# Altium PCB SP7.PcbDoc (part 3 of 4) (continued)
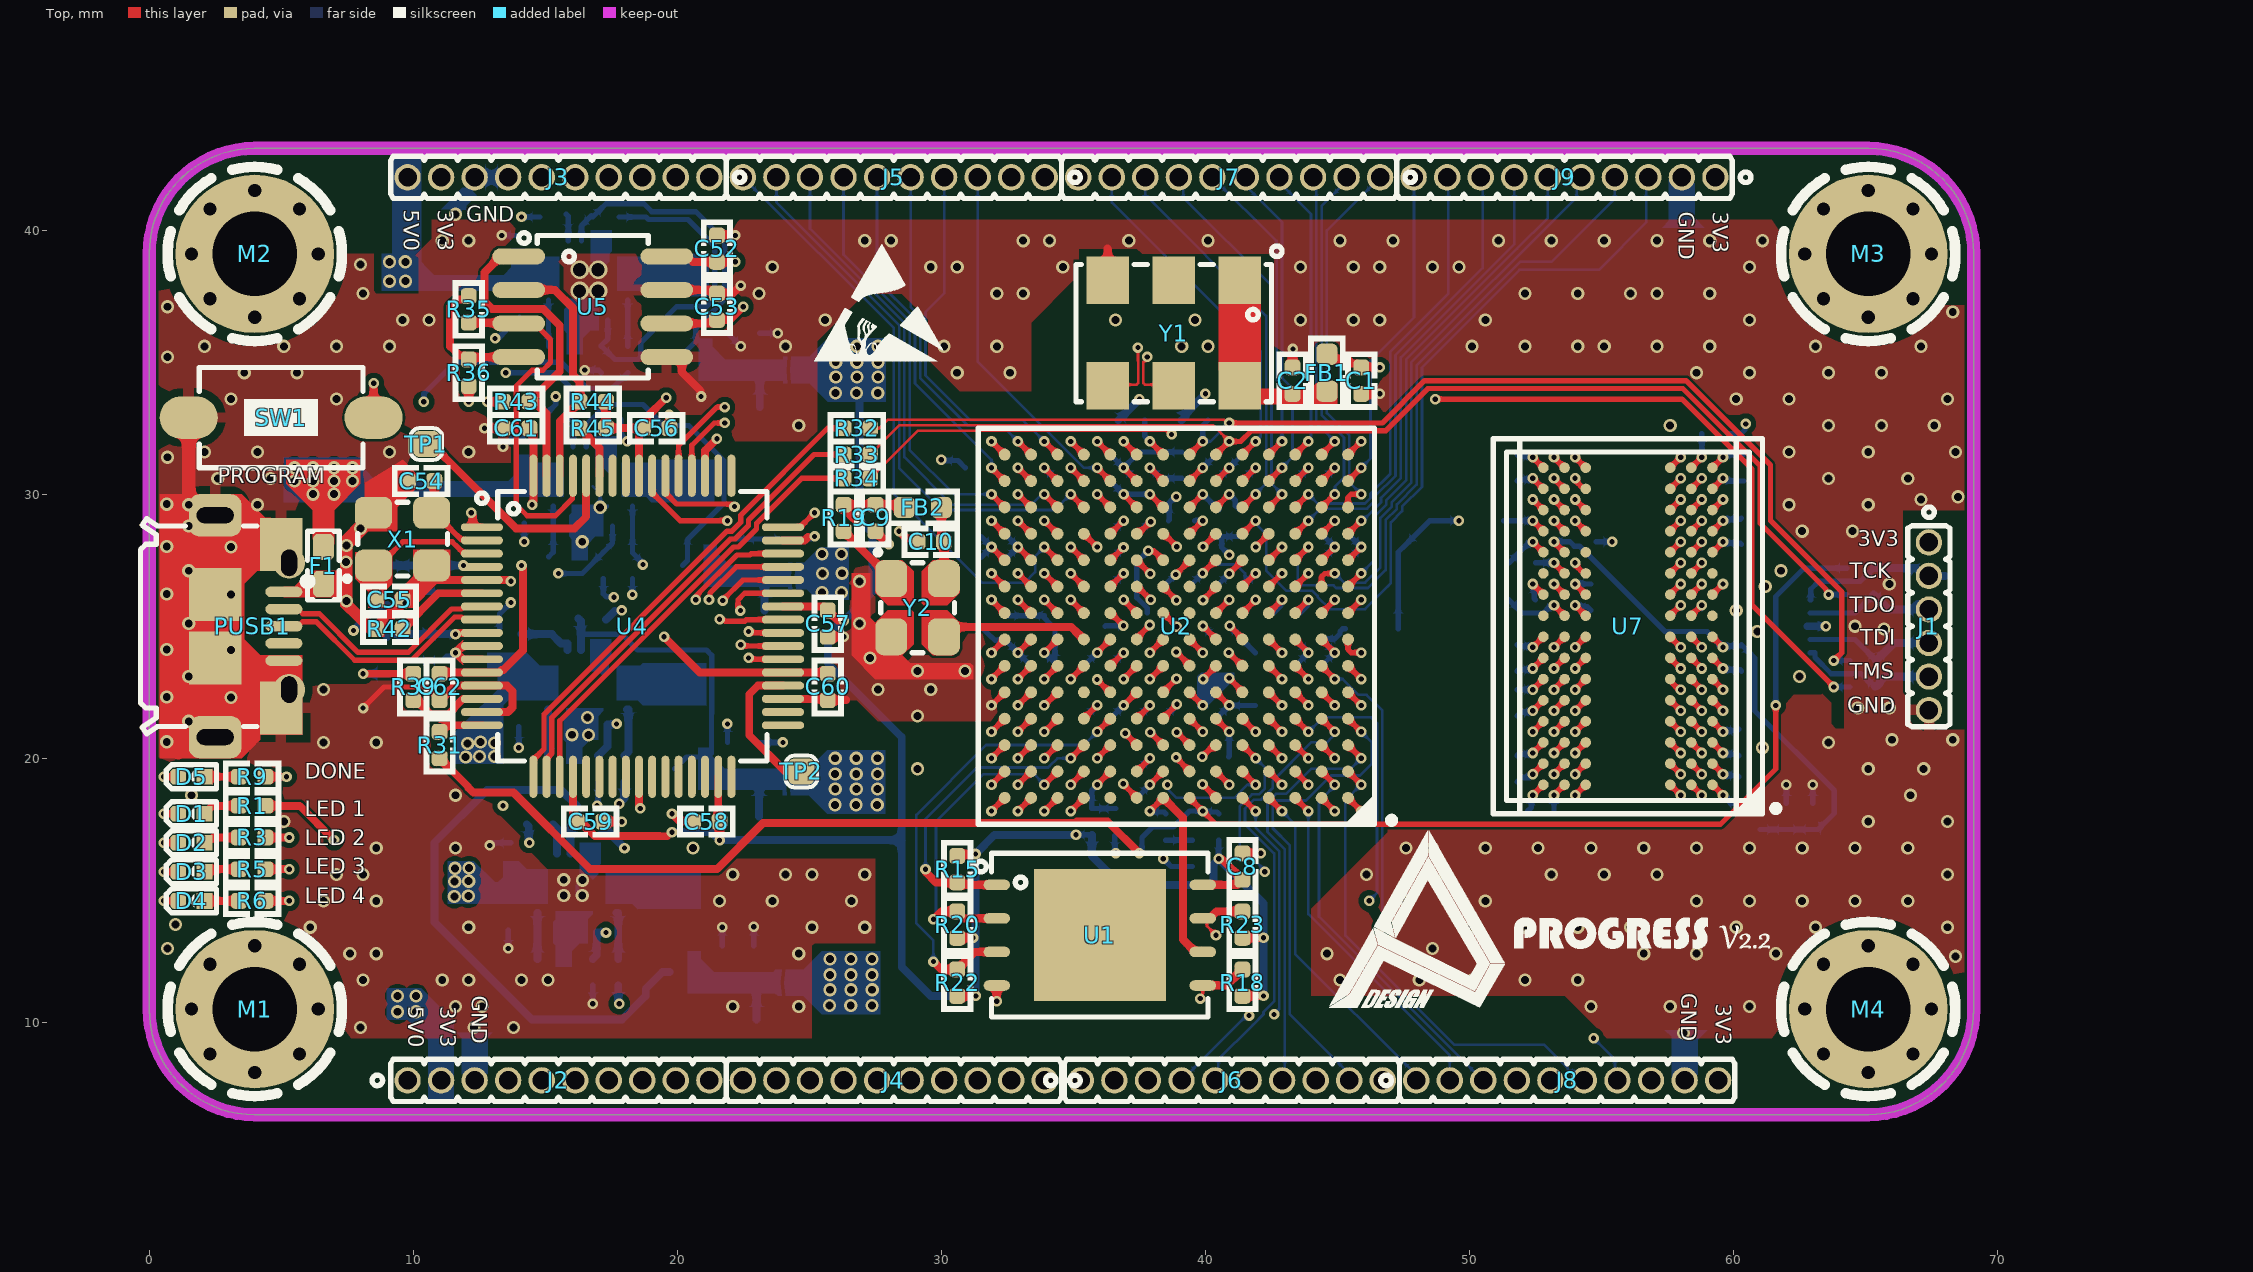
[diagram p0: Top view]
## Nets (pads, with @x,y where several pads share a name; then routed paths per layer and width w, separated by ;. In a path a pad name is that pad's centre, name@x,y a point inside that pad or via, vN(x,y) a via of type N, cw(c..) or ccw(c..) an arc to the next point about the centre after c; other vN are vias at no path point) (continued)
  Bottom w0.1: v1(45.9,27) 46.425,27.525 46.425,29.182 46.85,29.607 46.85,29.776 47.6,30.526 47.6,35.1 51.8,39.3 52.965,40.465 J9.6@52.965,42
  Bottom w0.2: v4(52.4,26.6) 52.45,26.55 52.45,26.05 R65.1@52.5,26
FLASH_CS#: R15.2 U1.1 U2.C11 | length 12.1
  Top w0.2: v1(34.9,20) U2.C11@35.4,20.5
  Top w0.3: v1(29.4,15.8) 29.419,15.781 29.419,15.681 29.8,15.3 R15.2@30.6,15.3 30.695,15.205 U1.1@32.1,15.205
  Bottom w0.1: v1(29.4,15.8) 29.4,17.7 31.35,19.65 34.045,19.65 34.097,19.703 34.395,20 v1(34.9,20)
FLASH_D0: R18.2 U1.5 U2.B11 | length 13.8
  Top w0.1: v1(39.8,10.9) 39.8,10.981 39.9,11.081 U1.5@39.9,11.395
  Top w0.2: v1(34.9,19) U2.B11@35.4,19.5
  Top w0.3: U1.5@39.9,11.395 40.795,11.395 R18.2@41.4,12
  03_SIG w0.1: v1(34.9,19) 35.229,18.671 35.229,18.471 35.5,18.2 35.5,14 38.6,10.9 v1(39.8,10.9)
FLASH_D1: R20.2 U1.2 U2.B12 | length 12.1
  Top w0.2: v1(33.9,19) U2.B12@34.4,19.5
  Top w0.3: v1(29.7,13.9) 30,14.2 R20.2@30.6,14.2 30.865,13.935 U1.2@32.1,13.935
  Bottom w0.1: v1(29.7,13.9) 29.7,13.981 29.8,14.081 29.8,17.6 31.6,19.4 33.5,19.4 v1(33.9,19)
FLASH_D2: R22.2 U1.3 U2.D10 | length 17.5
  Top w0.2: v1(35.9,21) U2.D10@36.4,21.5
  Top w0.3: v1(29.7,12.3) 30,12 R22.2@30.6,12 31.265,12.665 U1.3@32.1,12.665
  Bottom w0.1: v1(29.7,12.3) 29.7,13.1 29.05,13.75 29.05,17.85 31.7,20.5 35.4,20.5 v1(35.9,21)
FLASH_D3: R23.2 U1.7 U2.C10 | length 13.5
  Top w0.1: U1.7@39.9,13.935 39.918,13.935 40.056,13.796 40.056,13.644 v1(40.4,13.3)
  Top w0.2: v1(35.9,20) U2.C10@36.4,20.5
  Top w0.3: U1.7@39.918,13.935 40.173,13.935 40.25,14.012 40.25,14.024 40.426,14.2 R23.2@41.4,14.2
  03_SIG w0.1: v1(35.9,20) 35.9,19.5 35.6,19.2 35.6,19.195 35.55,19.145 35.55,18.433 35.7,18.283 35.7,15.4 37,14.1 39.6,14.1 v1(40.4,13.3)
FPGA_CCLK: C7.2 U1.6 U2.A8 | length 8
  Top w0.2: v1(37.9,18) U2.A8@38.4,18.5
  Top w0.3: U2.A8@38.4,18.5 39.15,17.75 39.15,13.134 39.619,12.665 U1.6@39.9,12.665
  Bottom w0.2: v1(37.9,18) 37.938,17.962 38.438,17.962 C7.2@38.5,17.9
FPGA_DONE: R9.2 U2.P9 | length 39.6
  Top w0.2: v1(36.9,32) U2.P9@37.4,31.5
  Top w0.3: R9.2@4.4,19.3 v1(5.2,19.3)
  03_SIG w0.2: v1(5.2,19.3) 8.4,19.3 20.7,31.6 28.4,31.6 30.206,33.406 35.494,33.406 v1(36.9,32)
FPGA_EMCCLK: U2.G11 Y2.3 | length 5.7
  Top w0.3: Y2.3@30.1,24.6 30.475,24.975 34.92,24.975 35.395,24.5 U2.G11@35.4,24.5
FPGA_INIT#: R14.2 U2.P8 | length 1.6
  Top w0.2: v1(37.9,32) U2.P8@38.4,31.5
  Bottom w0.2: R14.2@37.7,32.799 37.7,32.21 37.9,32.009 v1(37.9,32)
FPGA_M0: R21.2 U2.M7 | length 1.6
  Top w0.2: U2.M7@39.4,29.5 v1(39.9,30)
  Bottom w0.2: v1(39.9,30) R21.2@40.501,29.4
FPGA_PROG_B: R16.2 SW1.1 U2.L7 | length 37
  Top w0.2: U2.L7@39.4,28.5 v1(39.9,29)
  Top w0.3: SW1.1@8.5,32.9 v1(8.5,34.2)
  03_SIG w0.2: v1(8.5,34.2) 8.554,34.2 8.648,34.106 23.871,34.106 24.591,33.387 29.763,33.387 30.082,33.706 36.759,33.706 38.318,32.147 38.318,31.047 39.3,30.066 39.3,29.6 v1(39.9,29)
  Bottom w0.2: R16.2@39.6,29 v1(39.9,29)
FT_RD_N: U2.J13 U4.53 | length 32.2
  Top w0.2: U4.53@20.05,30.7 20.05,31.85 21.5,33.3 v1(21.8,33.3) ; v1(32.9,27) U2.J13@33.4,26.5
  05_SIG w0.1: v1(21.8,33.3) 20.1,31.6 20.1,25.517 22.417,23.2 22.983,23.2 23.7,23.917 23.7,27.7 24.75,28.75 25.428,28.75 26.028,29.35 29.75,29.35 31.7,27.4 32.5,27.4 v1(32.9,27)
FT_RXF_N: U2.J11 U4.48 | length 13.2
  Top w0.2: U4.48@24,28.75 24.65,28.75 v1(25.2,29.3) ; v1(34.9,27) U2.J11@35.4,26.5
  05_SIG w0.1: v1(25.2,29.3) 25.7,29.8 29.866,29.8 31.266,28.4 33.005,28.4 33.453,27.953 34.405,27 v1(34.9,27)
FT_STWU: U2.K11 U4.55 | length 19.6
  Top w0.2: U4.55@19.05,30.7 19.085,30.665 19.085,30.02 20.105,29 v1(21.9,29) ; v1(34.9,28) U2.K11@35.4,27.5
  03_SIG w0.1: v1(21.9,29) 21.843,29.057 21.843,29.183 21.817,29.209 21.817,29.917 22,30.1 30.1,30.1 31.7,28.5 34.4,28.5 v1(34.9,28)
FT_TCK: R12.2 R31.1 R37.2 U2.A7 | length 66.6
  Top w0.2: U2.A7@39.4,18.5 v1(39.9,18) 40.4,17.5 59.5,17.5 61.6,19.6 v1(61.6,22)
  Top w0.3: R31.1@11,20 12.1,18.9 12.1,18.876 12.276,18.7 13.801,18.7 16.701,15.8 21.5,15.8 23.25,17.55 35.086,17.55 35.136,17.6 36.3,17.6 v1(37.5,16.4)
  Bottom w0.2: v1(37.5,16.4) 37.5,16.454 37.6,16.554 37.6,17 38,17.4 38.795,17.4 39.395,18 v1(39.9,18) 39.938,17.962 40.438,17.962 R12.2@40.5,17.9 ; v1(61.6,22) 61.6,26.124 62.638,27.162 62.662,27.162 62.7,27.2 R37.2@64.3,27.2
FT_TDI: R13.2 R32.1 R40.2 U2.P7 | length 48.4
  Top w0.1: R32.1@27.3,32.5 27.65,32.5 27.964,32.814 40.705,32.814 40.819,32.7 v1(40.9,32.7)
  Top w0.2: U2.P7@39.4,31.5 v1(39.9,32) ; v1(40.9,32.7) 46.7,32.7 48.3,34.3 58.2,34.3 61.4,31.1 61.4,29 64.1,26.3 64.1,24 v1(63.8,23.7)
  Bottom w0.1: v1(39.9,32) 40.2,32 v1(40.9,32.7)
  Bottom w0.2: v1(39.9,32) 39.9,32.487 39.931,32.517 39.931,32.631 R13.2@40.1,32.8 ; v1(63.8,23.7) R40.2@64.4,23.7
FT_TDO: R33.1 R38.2 U2.P6 | length 43.8
  Top w0.1: R33.1@27.3,31.5 28.414,32.614 40.286,32.614 40.6,32.3 v1(40.9,32)
  Top w0.2: U2.P6@40.4,31.5 v1(40.9,32) 41.334,32 41.734,32.4 46.824,32.4 48.424,34 58.076,34 61,31.076 61,28.9 63.5,26.4 63.5,26.354 63.6,26.254 v1(63.6,26.2)
  Bottom w0.2: v1(63.6,26.2) R38.2@64.3,26.2
FT_TMS: R11.2 R34.1 R41.2 U2.M6 | length 50.6
  Top w0.1: R34.1@27.3,30.6 29.1,32.4 38.51,32.4 38.646,32.264 v1(38.718,32.264)
  Top w0.2: U2.M6@40.4,29.5 v1(40.9,30) ; v1(48.7,33.6) 58.051,33.6 60.7,30.951 60.7,25.8 v1(63.8,22.7)
  03_SIG w0.1: v1(38.718,32.264) 38.7,32.246 38.7,31.705 39.905,30.5 40.4,30.5 v1(40.9,30)
  05_SIG w0.1: v1(40.9,30) 41.3,30.4 41.3,32 42.3,33 47.572,33 48.172,33.6 v1(48.7,33.6)
  Bottom w0.2: v1(40.9,30) 41.132,29.768 41.132,29.568 R11.2@41.3,29.4 ; v1(63.8,22.7) R41.2@64.4,22.7
FT_TXE_N: U2.J12 U4.52 | length 31.7
  Top w0.2: U4.52@20.55,30.7 20.55,31.85 21.4,32.7 v1(21.8,32.7) ; v1(33.9,27) U2.J12@34.4,26.5
  05_SIG w0.1: v1(21.8,32.7) 21.75,32.65 21.555,32.65 21.355,32.45 20.3,31.395 20.3,25.6 22.5,23.4 22.9,23.4 23.5,24 23.5,27.842 24.608,28.95 25.345,28.95 25.995,29.6 29.783,29.6 31.783,27.6 33.3,27.6 v1(33.9,27)
FT_WR_N: U2.J14 U4.54 | length 15.4
  Top w0.2: U4.54@19.55,30.7 19.585,30.665 19.585,30.02 19.974,29.631 21.824,29.631 v1@22.069,29.631 ; v1(31.9,27) U2.J14@32.4,26.5
  03_SIG w0.1: v1(22.167,29.533) 22.234,29.533 22.601,29.9 29.4,29.9 31.9,27.4 v1(31.9,27)
GND: C1.1 C2.1 C3.1 C4.1 C5.1 C6.1 C8.1 C9.1 C10.1 C11.1 C12.1 C13.1 C14.1 C15.1 C16.1 C17.1 C18.1 C19.1 C20.1 C21.1 C22.1 C23.1 C24.1 C25.1 C26.1 C27.1 C28.1 C29.1 C30.1 C31.1 C32.1 C33.1 C34.1 C35.1 C52.1 C53.1 C54.1 C55.1 C56.1 C57.1 C58.1 C59.1 C60.1 C61.1 C62.1 C63.1 C64.1 C65.1 C66.1 C67.1 C68.1 C73.1 C74.2 C75.2 C76.1 C77.1 C78.1 C79.2 C80.2 C81.1 C82.1 C83.1 C84.2 C85.2 C86.1 C87.1 C88.1 C89.2 C90.2 C91.1 C92.1 C93.1 C94.1 C95.1 C96.1 C97.1 C98.1 C99.1 C100.1 C101.1 C102.1 C103.1 C104.1 C105.1 C106.1 D1.2 D2.2 D3.2 D4.2 D5.2 J1.6 J2.3 J3.7 J3.8 J8.9 J9.2 PUSB1.5 PUSB1.SH1 PUSB1.SH2 PUSB1.SH3 PUSB1.SH4 PUSB1.SH5 PUSB1.SH6 PUSB1.SH7 PUSB1.SH8 R4.1 R8.1 R10.1 R24.1 R42.2 R49.2 R52.2 R56.2 R60.2 R63.1 R65.2 R67.2 SW1.2 U1.4 U2.A1 U2.A6 U2.A9 U2.A11 U2.A14 U2.B4 U2.B7 U2.B9 U2.C2 U2.C6 U2.C7 U2.C8 U2.C9 U2.C13 U2.D5 U2.D7 U2.D9 U2.D11 U2.E1 U2.E3 U2.E6 U2.E8 U2.E10 U2.E14 U2.F5 U2.F7 U2.F8 U2.F9 U2.G3 U2.G6 U2.G7 U2.G8 U2.G10 U2.G12 U2.H5 U2.H8 U2.H9 U2.J6 U2.J8 U2.J10 U2.K1 U2.K5 U2.K7 U2.K9 U2.K14 U2.L4 U2.L6 U2.L8 U2.L10 U2.L11 U2.N3 U2.N5 U2.N9 U2.N12 U2.P1 U2.P14 U4.1 U4.5 U4.10 U4.11 U4.13 U4.15 U4.25 U4.35 U4.47 U4.51 U5.5 U5.7 U6.3 U6.8 U7.A9 U7.B1 U7.B3 U7.B9 U7.D1 U7.D8 U7.E1 U7.E2 U7.E8 U7.F9 U7.G1 U7.G8 U7.G9 U7.J2 U7.J8 U7.M1 U7.M9 U7.P1 U7.P9 U7.T1 U7.T9 UP1.6 UP1.7 UP1.8 UP1.15 UP1.16 UP1.17 UP2.6 UP2.7 UP2.8 UP2.15 UP2.16 UP2.17 UP3.6 UP3.7 UP3.8 UP3.15 UP3.16 UP3.17 UP4.6 UP4.7 UP4.8 UP4.15 UP4.16 UP4.17 X1.2 X1.4 Y1.3 Y2.2 | length 158.1
  Top w0.1: C55.1@9.6,26 9.7,25.9 v1(9.7,25.875)
  Top w0.2: v1(0.55,14.6) D4.2@1.1,14.6 ; v1(0.55,15.7) D3.2@1.1,15.7 ; v1(0.55,16.8) D2.2@1.1,16.8 ; v1(0.55,17.9) D1.2@1.1,17.9 ; v1(0.55,19.3) D5.2@1.1,19.3 ; v1(8.1,21.9) 8.9,22.7 10.5,22.7 C62.1@11,22.2 ; v1(31.9,18) U2.A14@32.4,18.5 ; v1(31.9,22) U2.E14@32.4,22.5 ; v1(31.9,28) U2.K14@32.4,27.5 ; v1(31.9,32) U2.P14@32.4,31.5 ; v1(32.9,20) U2.C13@33.4,20.5 ; v1(33.9,24) U2.G12@34.4,24.5 ; v1(33.9,31) U2.N12@34.4,30.5 ; v1(34.9,18) U2.A11@35.4,18.5 ; U2.L11@35.4,28.5 v1(35.9,28) ; U2.D11@35.406,21.516 v1(35.906,22.016) ; v1(35.896,22.984) U2.E10@36.396,22.484 ; v1(35.9,24) U2.G10@36.4,24.5 ; U2.J10@36.4,26.5 v1(36.9,27) ; U2.L10@36.4,28.5 v1(36.9,29) ; v1(36.884,19.033) U2.A9@37.384,18.533 ; v1(36.9,23) U2.F9@37.4,23.5 ; v1(36.9,26) U2.H9@37.4,25.5 ; v1(36.9,31) U2.N9@37.4,30.5 ; v1(36.967,20.946) v1(36.967,20.946) U2.C9@37.394,20.517 ; U2.B9@37.4,19.5 v1(37.9,20) ; U2.D9@37.4,21.5 v1(37.9,22) ; U2.K9@37.406,27.49 v1(37.906,26.99) ; v1(37.9,23) U2.F8@38.4,23.5 ; v1(37.9,24) U2.G8@38.4,24.5 ; v1(37.915,20.985) U2.C8@38.415,20.485 ; U2.J8@38.402,26.489 v1(38.902,25.989) ; U2.E8@38.406,22.513 v1(38.906,23.013) ; U2.H8@38.417,25.479 v1(38.917,24.979) ; U2.L8@38.417,28.512 v1(38.917,28.012) ; v1(38.875,26.955) U2.K7@39.375,27.455 ; v1(38.888,20.032) U2.B7@39.388,19.532 ; v1(38.898,24.026) U2.F7@39.398,23.526 ; v1(38.917,20.983) U2.C7@39.417,20.483 ; U2.D7@39.4,21.5 v1(39.9,21) ; U2.G7@39.4,24.5 v1(39.9,24) ; v1(39.879,20.062) U2.C6@40.379,20.562 ; v1(39.89,19.019) U2.A6@40.39,18.519 ; v1(39.906,25.01) U2.G6@40.406,24.51 ; v1(39.908,25.992) U2.J6@40.408,26.492 ; v1(39.909,28.008) U2.L6@40.409,28.508 ; U2.E6@40.4,22.5 v1(40.9,22) ; v1(40.884,24.002) U2.F5@41.384,23.501 ; v1(40.899,26.989) U2.K5@41.399,27.489 ; U2.D5@41.4,21.5 v1(41.9,21) ; U2.H5@41.4,25.5 v1(41.9,26) ; U2.N5@41.4,30.5 v1(41.9,31) ; v1(41.902,28.001) U2.L4@42.403,28.501 ; U2.B4@42.4,19.5 v1(42.9,19) ; U2.E3@43.4,22.5 v1(43.9,22) ; U2.G3@43.4,24.5 v1(43.9,24) ; U2.N3@43.4,30.5 v1(43.9,31) ; U2.C2@44.4,20.5 v1(44.9,20) ; U2.A1@45.4,18.5 v1(45.9,18) ; U2.E1@45.4,22.5 v1(45.9,22) ; U2.K1@45.4,27.5 v1(45.9,28) ; U2.P1@45.4,31.5 v1(45.9,32) ; v4(52.4,18.6) U7.A9@52.8,19 ; v4(52.4,19.4) U7.B9@52.8,19.8 ; v4(52.4,22.6) U7.F9@52.8,23 ; v4(52.4,23.4) U7.G9@52.8,23.8 ; v4(52.4,28.2) U7.M9@52.8,27.8 ; v4(52.4,29.8) U7.P9@52.8,29.4 ; v4(52.4,31.4) U7.T9@52.8,31 ; v4(53.2,21) U7.D8@53.6,21.4 ; v4(53.2,21.8) U7.E8@53.6,22.2 ; v4(53.2,23.4) U7.G8@53.6,23.8 ; v4(53.2,25.8) U7.J8@53.6,25.4 ; U7.B3@57.6,19.8 v4(58,19.4) ; U7.E2@58.4,22.2 v4(58.8,21.8) ; U7.J2@58.4,25.4 v4(58.8,25.8) ; U7.B1@59.2,19.8 v4(59.6,19.4) ; U7.D1@59.2,21.4 v4(59.6,21) ; U7.E1@59.2,22.2 v4(59.6,21.8) ; U7.G1@59.2,23.8 v4(59.6,23.4) ; U7.M1@59.2,27.8 v4(59.6,28.2) ; U7.P1@59.2,29.4 v4(59.6,29.8) ; U7.T1@59.2,31 v4(59.6,31.4)
  Top w0.3: C62.1@11,22.2 11.55,22.75 13.55,22.75 13.763,22.537 13.763,21.926 13.587,21.75 U4.15@12.6,21.75 ; v1(12.2,29.3) 12.2,29.273 12.255,29.218 12.255,28.75 U4.1@12.6,28.75 ; U4.11@12.6,23.75 11.85,23.75 v1(11.6,24) 11.85,24.25 U4.10@12.6,24.25 ; U4.5@12.6,26.75 13.623,26.75 13.673,26.7 v1(13.7,26.7) ; v1(12.7,32.5) C61.1@13.4,32.5 ; C59.1@17.2,17.6 v1(17.9,17.6) ; U4.25@18.55,19.3 18.55,18.177 18.6,18.127 v1(18.6,18.1) ; U5.5@19.6,35.196 20.035,35.196 20.174,35.057 20.174,34.621 20.881,33.915 20.881,33.719 v1(20.9,33.7) ; U5.7@19.6,37.736 21.364,37.736 C53.1@21.5,37.6 22.1,37.6 v1(22.4,37.9) ; C56.1@19.7,32.5 v1(19.7,33) ; v1(19.8,17.9) 20.076,17.624 20.576,17.624 C58.1@20.6,17.6 ; U4.51@21.05,30.7 21.05,31.65 v1(21.5,32.1) ; C52.1@21.5,39.8 v1(22.2,39.8) ; U4.35@24,22.25 25.65,22.25 C60.1@25.7,22.2 26.4,22.2 ; U4.47@24,28.25 24.823,28.25 24.954,28.381 ; C57.1@25.7,24.6 v1(26.3,24.6) ; C9.1@27.5,28.6 v1(28,28.1) ; v1(28.4,28.6) 28.676,28.324 28.976,28.324 C10.1@29.1,28.2 ; v1(32.1,10.8) U1.4@32.1,11.395 ; Y1.3@36.3,38.1 36.299,39.3 ; C8.1@41.4,16.4 v1(42.1,16.4) ; C2.1@43.3,34.8 43.3,35.485 v1(43.315,35.5) ; C1.1@45.9,33.8 v1(46.6,33.8)
  Top w0.5: 1.1,20.2 1.2,20.3 ; v3(1.5,29.6) SW1.2@1.5,32.9
  Bottom w0.1: UP2.17@16.2,14.9 16.2,15.175 v3(16.409,15.384) ; UP3.17@16.8,30.3 17.079,30.021 v3(17.079,29.503) ; C93.1@58.8,25.6 v4(58.8,25.8)
  Bottom w0.2: v1(9.7,25.875) 9.7,25.887 10.1,26.287 C64.1@10.1,26.3 C63.1@11.1,26.3 ; C66.1@10.1,23.7 C65.1@11.1,23.7 11.269,23.869 11.415,23.869 11.546,24 v1(11.6,24) ; v2@11.6,40.7 12.172,41.272 12.172,41.847 J3.8@12.325,42 ; v1(12.9,16.7) 12.954,16.7 13.054,16.8 C79.2@13.7,16.8 ; C74.2@13.1,24.7 13.268,24.868 13.268,25.468 v1(13.7,25.9) ; v1(13.1,35.9) 13.138,35.938 13.26,35.938 C88.1@14.021,36.7 ; v1(13.35,39.8) C89.2@13.971,39.8 ; v1(13.4,31.8) 13.732,32.132 14.132,32.132 C84.2@14.2,32.2 ; v1(13.6,12.8) C78.1@13.6,13.5 ; v1(14,20.4) C73.1@14,21.2 ; v1(14.2,28.2) C83.1@14.2,28.9 ; C90.2@16.121,35.6 C90.2@16.137,35.6 ; v1(16.5,34.7) 16.503,34.697 17.024,34.697 R60.2@17.121,34.6 ; v1(16.8,10.7) R52.2@16.8,11.4 ; v1(16.962,18.209) 17,18.247 R49.2@17,19.1 ; R56.2@17.2,26.8 17.2,26.231 17.317,26.113 17.587,26.113 v1(17.6,26.1) ; C76.1@21.7,12.9 v1(21.7,13.6) ; C67.1@21.9,20.6 v1(21.9,21.3) ; C86.1@21.9,36.1 v1(22.4,35.6) ; C81.1@22.1,28.3 C82.1@23.3,28.3 25.046,28.3 25.146,28.4 v1(25.2,28.4) ; C77.1@22.9,12.9 v1@22.9,13.624 ; C68.1@23.1,20.6 v1(24,20.6) ; C87.1@23.121,36.1 v1(23.8,36.1) ; v1(30,31.3) 30.025,31.275 30.625,31.275 C15.1@30.9,31 ; C19.1@31.5,27.6 v1(31.9,28) C16.1@31.5,28.4 ; C17.1@32.5,25.4 33.811,25.4 34.2,25.011 C11.1@34.2,25 34.3,24.9 C18.1@34.3,23.6 v1(33.9,24) ; v1(33.9,31) C20.1@34.3,30.6 ; C31.1@35.5,21.6 35.5,21.605 35.906,22.011 v1(35.906,22.016) ; C13.1@35.5,23.6 v1(35.9,24) ; C12.1@36.5,26.6 v1(36.9,27) ; C14.1@36.5,28.6 v1(36.9,29) ; R24.1@36.499,31.4 v1(36.9,31) ; v1(36.6,16.4) 36.569,16.431 36.569,17.069 R4.1@36.6,17.1 ; C5.1@37.3,30.6 v1(36.9,31) ; R8.1@37.499,19.6 v1(37.9,20) ; C32.1@37.5,21.6 v1(37.9,22) ; v1(38.4,16.2) 38.7,15.9 R10.1@39.5,15.9 ; C30.1@38.5,26.6 38.51,26.6 38.865,26.955 v1(38.875,26.955) ; C4.1@39.1,31.6 37.5,31.6 v1(36.9,31) ; v1(39.906,25.01) 39.906,25.002 40.3,24.608 C34.1@40.3,24.6 ; C35.1@40.499,26.588 v1(40.899,26.989) ; C33.1@40.5,21.6 v1(40.9,22) C28.1@41.9,22 ; C6.1@41.5,30.6 v1(41.9,31) ; C24.1@43.5,23.6 v1(43.9,24) C22.1@43.5,24.4 ; C26.1@43.5,30.6 v1(43.9,31) ; C25.1@45.5,27.6 v1(45.9,28) C23.1@45.5,28.4 ; C21.1@47.3,24.9 47.3,27.8 47.602,28.102 C91.1@48.5,29 v1(49.6,29) ; R65.2@51.5,26 52,25.5 52.795,25.5 53.037,25.743 53.143,25.743 v4(53.2,25.8) ; R67.2@51.5,27.4 52.243,28.143 52.343,28.143 v4(52.4,28.2) ; C94.1@51.8,19.1 51.969,19.269 52.188,19.269 52.319,19.4 v4(52.4,19.4) ; C95.1@51.8,22.6 v4(52.4,22.6) ; C96.1@51.8,23.3 51.85,23.35 52.35,23.35 v4(52.4,23.4) ; C92.1@51.8,31.5 51.85,31.45 52.35,31.45 v4(52.4,31.4) ; C97.1@52.2,18 52.343,18.143 52.343,18.543 v4(52.4,18.6) ; C104.1@54.8,28.2 v1(55.4,28.2) ; v4(59.6,19.4) 59.65,19.35 60.15,19.35 C100.1@60.2,19.3 ; v4(59.6,21) 59.65,21.05 60.15,21.05 C99.1@60.2,21.1 ; v4(59.6,23.4) 59.65,23.35 60.25,23.35 C105.1@60.3,23.3 ; v4(59.6,28.2) 59.65,28.15 60.25,28.15 C103.1@60.3,28.1 ; v4(59.6,31.4) 59.681,31.4 59.781,31.5 C102.1@60.4,31.5 ; C106.1@62,18.3 v1(62,19) ; R63.1@63,18.3 v1(63,19)
  Bottom w0.3: U6.3@62.8,25 v1(63.5,25)
  Bottom w0.5: J3.8@12.325,42 J3.7@13.595,42
  other v1: 22.899,13.624
  other v2: 58.1,9.6 11.6,10.6 12.6,10.6 24.6,10.6 54.6,10.6 57.6,10.6 60.6,10.6 8.1,11.6 11.1,11.6 12.1,11.6 14.1,11.6 15.1,11.6 45.1,11.6 48.1,11.6 50.1,11.6 52.1,11.6 54.1,11.6 7.6,12.6 8.6,12.6 24.6,12.6 44.6,12.6 56.6,12.6 58.6,12.6 61.6,12.6 6.1,13.6 12.1,13.6 25.1,13.6 27.1,13.6 50.1,13.6 52.1,13.6 54.1,13.6 56.1,13.6 60.1,13.6 63.1,13.6 68.1,13.6 6.6,14.6 8.6,14.6 21.6,14.6 23.6,14.6 26.6,14.6 47.6,14.6 50.6,14.6 58.6,14.6 60.6,14.6 62.6,14.6 64.6,14.6 66.6,14.6 7.1,15.6 8.1,15.6 22.1,15.6 24.1,15.6 25.1,15.6 27.1,15.6 46.1,15.6 49.1,15.6 53.1,15.6 55.1,15.6 57.1,15.6 68.1,15.6 8.6,16.6 11.6,16.6 20.6,16.6 47.6,16.6 48.6,16.6 50.6,16.6 52.6,16.6 54.6,16.6 56.6,16.6 58.6,16.6 60.6,16.6 62.6,16.6 64.6,16.6 66.6,16.6 5.1,17.6 65.1,17.6 68.1,17.6 1.6,18.6 11.6,18.6 29.1,19.6 65.1,19.6 6.6,20.6 8.6,20.6 63.6,20.6 29.1,21.6 6.6,22.6 27.6,22.6 29.6,22.6 65.7,24.9 60.1,25.6 62.6,28.6 4.1,29.6 62.1,29.6 65.1,29.6 2.6,30.6 4.6,30.6 63.6,30.6 2.1,31.6 4.1,31.6 9.1,31.6 12.1,31.6 62.1,31.6 65.1,31.6 5.6,32.6 24.6,32.6 57.6,32.6 63.6,32.6 65.6,32.6 3.1,33.6 7.1,33.6 60.1,33.6 62.1,33.6 68.1,33.6 3.6,34.6 5.6,34.6 30.6,34.6 32.6,34.6 58.6,34.6 60.6,34.6 63.6,34.6 65.6,34.6 2.1,35.6 5.1,35.6 7.1,35.6 9.1,35.6 24.1,35.6 30.1,35.6 32.1,35.6 39.1,35.6 40.1,35.6 50.1,35.6 52.1,35.6 54.1,35.6 55.1,35.6 57.1,35.6 59.1,35.6 63.1,35.6 67.1,35.6 9.6,36.6 10.6,36.6 25.6,36.6 36.6,36.6 39.6,36.6 43.6,36.6 45.6,36.6 46.6,36.6 50.6,36.6 60.6,36.6 8.1,37.6 23.1,37.6 32.1,37.6 33.1,37.6 52.1,37.6 54.1,37.6 56.1,37.6 57.1,37.6 59.1,37.6 23.6,38.6 29.6,38.6 30.6,38.6 34.6,38.6 43.6,38.6 45.6,38.6 46.6,38.6 48.6,38.6 49.6,38.6 60.6,38.6 11.1,39.6 12.1,39.6 27.1,39.6 28.1,39.6 33.1,39.6 34.1,39.6 37.1,39.6 40.1,39.6 45.1,39.6 47.1,39.6 51.1,39.6 53.1,39.6 55.1,39.6 57.1,39.6 59.1,39.6 61.1,39.6 11.6,40.6
  other v3: 8,9.8 12.3,9.8 13.8,9.8 22.1,10.6 68.4,12.5 0.7,12.8 48.6,12.8 1,13.7 15.7,14.8 16.4,14.8 15.7,15.4 66.7,18.6 67.2,19.6 61.1,20.4 0.666,20.622 66,20.7 68.3,20.7 16.014,20.891 16.635,20.879 1.5,21.4 16.602,21.546 64.7,21.9 65.9,21.9 3.1,22.3 0.666,22.322 1.5,23.1 62.5,23.1 29.1,23.3 30.9,23.3 27.3,23.8 3.1,24.1 0.666,24.122 60.9,24.8 64.6,25 1.5,25.1 26.9,25.1 7.47,25.951 3.1,26.2 0.666,26.222 61.2,26.5 65.9,26.6 26.9,26.7 1.5,27.1 61.8,27.1 7.45,27.429 3.1,28 0.666,28.022 7.47,28.053 16.4,28.2 64.5,28.6 8,28.7 1.5,28.8 0.666,29.622 67.1,29.8 68.5,29.9 66.6,30.6 0.7,31.4 68.4,31.6 67.6,32.6 0.7,35.2 68.3,36.9 0.7,37.1 8,38.7
  other v6: 16.3,37.7 17,37.7 16.3,38.5 17,38.5
JTAG_TCK: J1.2 R37.1 U6.1 | length 6
  Bottom w0.2: U6.1@62.9,26 62.924,26 62.924,26.4 63.224,26.7 64.8,26.7 R37.1@65.3,27.2
  Bottom w0.3: R37.1@65.3,27.2 66.9,27.2 67.2,26.9 J1.2@68.007,26.9
JTAG_TDI: J1.4 R40.1 U6.4 | length 5.3
  Bottom w0.2: U6.4@62.9,24.5 64.6,24.5 R40.1@65.4,23.7
  Bottom w0.3: R40.1@65.4,23.7 65.8,24.1 65.807,24.1 66.072,24.365 J1.4@67.625,24.365
JTAG_TDO: J1.3 R38.1 U6.2 | length 5.8
  Bottom w0.2: U6.2@62.9,25.5 64.6,25.5 R38.1@65.3,26.2
  Bottom w0.3: R38.1@65.3,26.2 65.865,25.635 66.877,25.635 66.877,25.747 66.983,25.853 67.295,25.853 67.4,25.958 67.4,25.8 J1.3@67.7,25.5
JTAG_TMS: J1.5 R41.1 U6.5 | length 5.4
  Bottom w0.2: U6.5@62.9,24 63.083,24 63.083,23.817 63.7,23.2 64.826,23.2 65.157,22.869 65.204,22.869 R41.1@65.363,22.71
  Bottom w0.3: R41.1@65.363,22.71 65.363,22.737 65.437,22.737 65.55,22.85 65.55,22.919 65.726,23.095 J1.5@67.4,23.095
LED_1: R1.2 U2.N11 | length 39.2
  Top w0.2: v1(34.9,31) U2.N11@35.4,30.5
  Top w0.3: R1.2@4.4,18.2 5.7,18.2 v1(7,16.9)
  03_SIG w0.2: v1(7,16.9) 8.35,18.25 8.623,18.25 21.073,30.7 28.773,30.7 30.579,32.506 33.959,32.506 34.5,31.966 34.5,31.7 34.896,31.304 34.896,31.004 v1(34.9,31)
LED_2: R3.2 U2.P10 | length 39.3
  Top w0.2: v1(35.9,32) U2.P10@36.4,31.5
  Top w0.3: R3.2@4.4,17 v1(5.3,17)
  03_SIG w0.2: v1(5.3,17) 5.354,17 5.454,17.1 5.5,17.1 7.3,18.9 8.424,18.9 20.824,31.3 28.524,31.3 30.331,33.106 34.794,33.106 v1(35.9,32)
LED_3: R5.2 U2.P11 | length 38.6
  Top w0.2: v1(34.9,32) U2.P11@35.4,31.5
  Top w0.3: R5.2@4.4,15.8 v1(5.3,15.8)
  03_SIG w0.2: v1(5.3,15.8) 5.319,15.819 5.319,15.919 7.95,18.55 8.499,18.55 20.949,31 28.649,31 30.455,32.806 34.094,32.806 v1(34.9,32)
LED_4: R6.2 U2.M10 | length 39.8
  Top w0.2: v1(35.9,30) U2.M10@36.4,29.5
  Top w0.3: R6.2@4.4,14.6 v1(5.3,14.6)
  03_SIG w0.2: v1(5.3,14.6) 5.354,14.6 5.454,14.7 5.5,14.7 18.999,28.199 18.999,28.201 21.197,30.4 28.9,30.4 29.4,30.9 31.234,30.9 31.734,31.4 34.066,31.4 34.4,31.066 34.4,30.9 34.9,30.4 35.5,30.4 v1(35.9,30)
NetC7_1: C7.1 R10.2 | length 1
  Bottom w0.2: C7.1@38.5,16.9 R10.2@39.5,16.9
NetC54_2: C54.2 U4.2 X1.3 | length 3.5
  Top w0.2: X1.3@10.7,29.3 10.85,29.15 10.95,29.15 11.831,28.269 12.581,28.269 U4.2@12.6,28.25
  Top w0.3: X1.3@10.8,29.3 C54.2@10.8,30.5
NetC55_2: C55.2 U4.3 X1.1 | length 4.5
  Top w0.2: X1.1@8.7,27.292 9.608,28.2 11.476,28.2 11.676,28 11.683,28 11.933,27.75 U4.3@12.6,27.75
NetD1_1: D1.1 R1.1 | length 1.4
  Top w0.3: D1.1@2.1,17.9 2.4,18.2 R1.1@3.4,18.2
NetD2_1: D2.1 R3.1 | length 1.4
  Top w0.3: D2.1@2.1,16.8 2.25,16.95 2.376,16.95 2.426,17 R3.1@3.4,17
NetD3_1: D3.1 R5.1 | length 1.3
  Top w0.3: D3.1@2.1,15.7 2.2,15.8 R5.1@3.4,15.8
NetD4_1: D4.1 R6.1 | length 1.3
  Top w0.3: D4.1@2.1,14.6 R6.1@3.4,14.6
NetD5_1: D5.1 R9.1 | length 1.3
  Top w0.3: D5.1@2.1,19.3 R9.1@3.4,19.3
NetF1_1: F1.1 PUSB1.1
NetR19_1: R19.1 Y2.1 | length 2.6
  Top w0.3: R19.1@26.3,28.6 26.45,28.45 27.643,27.257 27.661,27.257 28.1,26.819 Y2.1@28.1,26.8
NetR24_2: R24.2 U2.M8 U2.M9 | length 3
  Top w0.2: v1(36.9,30) U2.M9@37.4,29.5 ; v1(37.9,30) U2.M8@38.4,29.5
  Bottom w0.2: R24.2@36.499,30.4 36.9,30 v1(37.9,30)
NetR35_1: R35.1 R36.1 U5.4 | length 5.2
  Top w0.3: R35.1@12.1,37.5 11.976,37.376 11.676,37.376 11.4,37.1 11.4,35.6 11.75,35.25 11.95,35.25 R36.1@12.1,35.1 12.196,35.196 U5.4@14,35.196
NetR39_1: R39.1 U4.14 | length 3.1
  Top w0.3: R39.1@10,22.2 10.15,22.05 10.284,22.05 10.684,21.65 11.316,21.65 11.55,21.884 11.55,21.916 11.884,22.25 U4.14@12.6,22.25
NetR42_1: R42.1 U4.6 | length 3.6
  Top w0.3: R42.1@9.6,24.9 10.95,26.25 U4.6@12.6,26.25
NetR45_2: R45.2 U4.59 | length 2.1
  Top w0.3: R45.2@16.3,32.5 17.05,31.75 U4.59@17.05,30.7
NetR46_2: R46.2 UP1.13 | length 2.1
  Bottom w0.3: R46.2@14.1,24.7 15.25,24.7 15.601,24.349 15.85,24.349 UP1.13@15.85,24.1
NetR67_1: R67.1 U7.L8 | length 1.3
  Top w0.2: v4(53.2,27.4) U7.L8@53.6,27
  Bottom w0.2: R67.1@52.5,27.4 v4(53.2,27.4)
NetTP1_1: TP1.1 U4.60 | length 9.1
  Top w0.3: TP1.1@10.5,31.9 10.788,31.612 10.988,31.612 13.9,28.7 16.1,28.7 16.55,29.15 U4.60@16.55,30.7
NetTP2_1: TP2.1 U4.36 | length 5.5
  Top w0.3: U4.36@24,22.75 23.05,22.75 22.724,22.424 22.724,20.876 24.1,19.5 TP2.1@24.7,19.5
PEN15: R53.2 UP2.13 | length 1.2
  Bottom w0.3: R53.2@15.3,17.5 15.45,17.35 UP2.13@15.45,16.4
PEN18: R57.2 UP3.13 | length 22
  05_SIG w0.2: v1(13.4,18.2) 13.4,18.254 13.532,18.386 13.532,21.009 12.9,21.641 12.9,31.866 13.6,32.566 13.6,34.441 13.5,34.541 v1(13.5,34.596)
  Bottom w0.2: v1(13.5,34.596) 13.504,34.6 15.4,34.6 15.9,34.1 R57.2@15.9,32.9 16.05,32.75 UP3.13@16.05,31.8
PEN33: R61.2 UP4.13 | length 1
  Bottom w0.2: R61.2@15.8,40.6 15.871,40.529 UP4.13@15.871,39.6
PFB10: R48.1 R49.1 UP1.5 | length 6.5
  05_SIG w0.3: v1(17.7,21.3) 17.7,25.374 17.9,25.574 v1(17.9,25.6)
  Bottom w0.3: R49.1@17,20.1 17.35,20.45 UP1.5@17.35,21.1 17.35,21.281 17.681,21.281 v1(17.7,21.3) ; R48.1@17.3,25.25 17.631,25.581
PFB15: R51.1 R52.1 UP2.5 | length 6.1
  03_SIG w0.3: v1(17.3,13.4) 17.3,15.9 v1(18,16.6)
  Bottom w0.3: R52.1@16.8,12.4 16.95,12.55 UP2.5@16.95,13.4 v1(17.3,13.4) ; R51.1@17.2,17.5 17.35,17.35 17.35,17.25 v1(18,16.6)
PFB18: R55.1 R56.1 UP3.5 | length 10.3
  03_SIG w0.2: v1(15.5,27) 15.5,29.4 v1(18.1,32)
  Bottom w0.2: v1(15.5,27) 16.4,27 R56.1@17.2,27.8 17.55,28.15 UP3.5@17.55,28.8 ; R55.1@17.8,32.9 17.868,32.832 17.868,32.315 17.9,32.283 17.9,32.217 18.1,32.017 v1(18.1,32)
PFB33: R59.1 R60.1 UP4.5 | length 12.9
  Bottom w0.2: UP4.5@17.371,36.6 17.371,35.877 17.121,35.627 R60.1@17.121,35.6 17.137,35.6 17.637,35.1 18.504,35.1 18.621,35.217 18.621,35.748 19.973,37.1 21.1,37.1 21.421,37.421 21.421,39.379 20.4,40.4 18.91,40.4 18.81,40.5 R59.1@17.8,40.5
PG1V: R47.2 UP1.4 | length 1.9
  Bottom w0.3: R47.2@18,20.1 18.15,20.25 18.15,20.426 18.15,21.85 UP1.4@18.1,21.85
PG1V0: R53.1 R57.1 | length 20.1
  05_SIG w0.3: v1(14.4,16.8) 14.4,16.827 14.45,16.877 14.45,20.586 14.186,20.85 13.25,21.786 13.25,31.014 15.4,33.164 v1(15.4,33.7)
  Bottom w0.2: R57.1@14.9,32.9 15.396,33.396 15.396,33.696 v1(15.4,33.7)
  Bottom w0.3: R53.1@14.3,17.5 14.374,17.426 14.374,16.853 14.4,16.827 v1(14.4,16.8)
PG15: R50.2 UP2.4 | length 1.8
  Bottom w0.3: UP2.4@17.7,14.15 17.766,14.15 R50.2@17.766,12.4
PG18: R54.2 R61.1 UP3.4 | length 18.5
  05_SIG w0.2: v1@14.1,40.596 15.8,38.896 15.8,29.8 17.7,27.9 18.134,27.9 v1(18.7,27.334)
  Bottom w0.2: v1(14.1,40.5) R61.1@14.8,40.5 ; UP3.4@18.3,29.55 R54.2@18.3,27.8 18.3,27.783 18.7,27.383 v1(18.7,27.334)
PG33: R58.2 UP4.4 | length 1.8
  Bottom w0.2: R58.2@18.121,35.6 UP4.4@18.121,37.35
PSS10: C75.1 UP1.9 | length 1.7
  Bottom w0.3: C75.1@15.1,20.1 UP1.9@15.1,21.85
PSS15: C80.1 UP2.9 | length 1.7
  Bottom w0.3: C80.1@14.7,12.4 UP2.9@14.7,14.15
PSS18: C85.1 UP3.9 | length 2
  Bottom w0.2: C85.1@15.132,27.632 C85.1@15.3,27.8 UP3.9@15.3,29.55
PSS33: C90.1 UP4.9 | length 1.8
  Bottom w0.2: C90.1@15.121,35.6 UP4.9@15.121,37.35
PSW10: L1.1 UP1.1 UP1.2 UP1.3
PSW15: L2.1 UP2.1 UP2.2 UP2.3
PSW18: L3.1 UP3.1 UP3.2 UP3.3
PSW33: L4.1 UP4.1 UP4.2 UP4.3
SYSCLK_N: R7.2 U2.H3 Y1.5 | length 17.7
  Top w0.1: v1(37.799,35.2) 37.799,35.141 37.65,34.991 37.65,34.208 37.709,34.15 38.75,34.15 Y1.5@38.8,34.1
  Top w0.2: U2.H3@43.4,25.5 v1(43.9,26)
  05_SIG w0.1: v1@37.8,35 37.759,34.959 37.546,34.959 37.45,34.862 37.45,34.714 37.646,34.517 37.646,34.231 39.5,32.378 39.5,26.909 39.859,26.55 42.542,26.55 43.174,26.55 43.491,26.233 43.491,26.067 43.559,26 v1(43.9,26)
  Bottom w0.2: R7.2@43.6,25.5 43.6,25.527 43.862,25.789 43.862,25.962 v1(43.9,26)
SYSCLK_P: R7.1 U2.H4 Y1.4 | length 18.1
  Top w0.1: Y1.4@36.3,34.1 36.35,34.15 37.391,34.15 37.45,34.208 37.45,35.054 37.449,35.55 v1(37.446,35.553)
  Top w0.2: U2.H4@42.4,25.5 v1(42.9,26)
  05_SIG w0.1: v1@37.446,35.354 37.405,35.312 37.405,35.1 37.25,34.945 37.25,34.631 37.446,34.434 37.446,34.149 39.3,32.295 39.3,26.826 39.776,26.35 42.625,26.35 43.091,26.35 43.291,26.15 43.291,26.067 43.233,26.009 42.909,26.009 v1(42.9,26)
  Bottom w0.2: R7.1@42.6,25.5 42.6,25.527 42.862,25.789 42.862,25.962 v1(42.9,26)
USB_TCK: R31.2 U4.16 | length 1.7
  Top w0.3: R31.2@11,21 11.25,21.25 U4.16@12.6,21.25